# KiCad board Plume.kicad_pcb (continued)
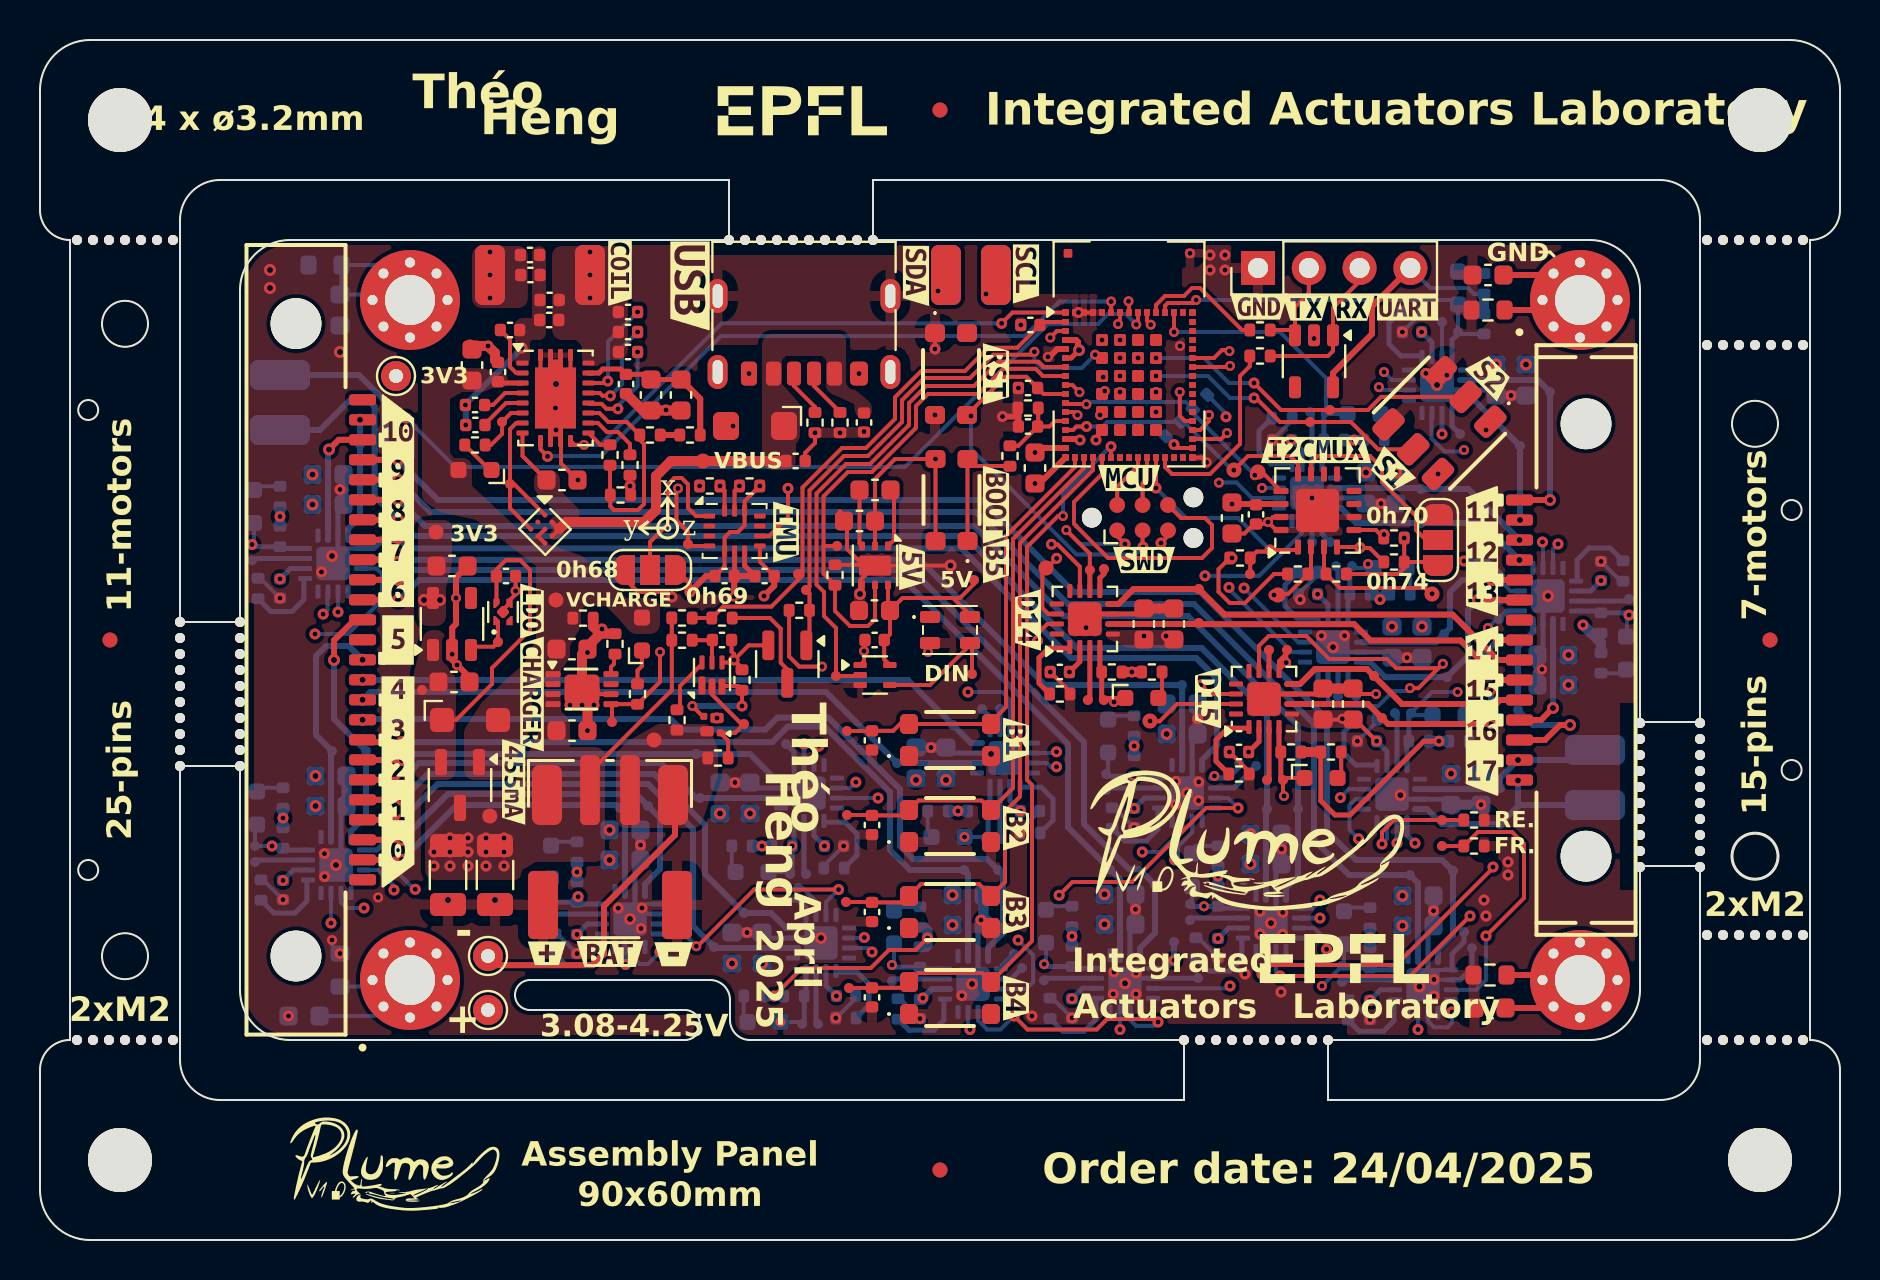
[diagram p0: board, top side]
## Placement (name value [footprint] x y rotation side) (continued)
NOREF  -  [unnamed]  84.95 44.75 0 top
NOREF#2  -  [unnamed]  83 19.45 90 top
NOREF#3  -  [unnamed]  10 23.7 90 top
NOREF#4  -  [unnamed]  87.35 50 0 top
NOREF#5  -  [unnamed]  4.25 50 0 top
NOREF#6  -  [unnamed]  7 26.1 90 top
NOREF#7  -  [unnamed]  83 18.65 90 top
NOREF#8  -  [unnamed]  83 25.85 90 top
NOREF#9  -  [unnamed]  37.65 50 0 top
NOREF#10  -  [unnamed]  83 20.25 90 top
NOREF#11  -  [unnamed]  88.15 50 0 top
NOREF#12  -  [unnamed]  10 26.9 90 top
NOREF#13  -  [unnamed]  61.2 10 0 top
NOREF#14  -  [unnamed]  59.6 10 0 top
NOREF#15  -  [unnamed]  57.2 10 0 top
NOREF#16  -  [unnamed]  85.75 44.75 0 top
NOREF#17  -  [unnamed]  1.85 50 0 top
NOREF#18  -  [unnamed]  83.35 50 0 top
NOREF#19  -  [unnamed]  85.75 10 0 top
NOREF#20  -  [unnamed]  58 10 0 top
NOREF#21  -  [unnamed]  84.95 15.25 0 top
NOREF#22  -  [unnamed]  41.65 50 0 top
NOREF#23  -  [unnamed]  83.35 44.75 0 top
NOREF#24  -  [unnamed]  6.65 50 0 top
NOREF#25  -  [unnamed]  7 28.5 90 top
NOREF#26  -  [unnamed]  3.45 50 0 top
NOREF#27  -  [unnamed]  7 25.3 90 top
NOREF#28  -  [unnamed]  1.85 10 0 top
NOREF#29  -  [unnamed]  35.25 50 0 top
NOREF#30  -  [unnamed]  80 18.65 90 top
NOREF#31  -  [unnamed]  84.15 44.75 0 top
NOREF#32  -  [unnamed]  10 24.5 90 top
NOREF#33  -  [unnamed]  38.45 50 0 top
NOREF#34  -  [unnamed]  64.4 10 0 top
NOREF#35  -  [unnamed]  83 23.45 90 top
NOREF#36  -  [unnamed]  63.6 10 0 top
NOREF#37  -  [unnamed]  10 28.5 90 top
NOREF#38  -  [unnamed]  83 21.85 90 top
NOREF#39  -  [unnamed]  84.95 50 0 top
NOREF#40  -  [unnamed]  84.15 15.25 0 top
NOREF#41  -  [unnamed]  5.85 10 0 top
NOREF#42  -  [unnamed]  80 25.85 90 top
NOREF#43  -  [unnamed]  80 21.85 90 top
NOREF#44  -  [unnamed]  36.85 50 0 top
NOREF#45  -  [unnamed]  80 19.45 90 top
NOREF#46  -  [unnamed]  85.75 15.25 0 top
NOREF#47  -  [unnamed]  86.55 44.75 0 top
NOREF#48  -  [unnamed]  3.45 10 0 top
NOREF#49  -  [unnamed]  4.25 10 0 top
NOREF#50  -  [unnamed]  5.85 50 0 top
NOREF#51  -  [unnamed]  86.55 50 0 top
NOREF#52  -  [unnamed]  39.25 50 0 top
NOREF#53  -  [unnamed]  5.05 10 0 top
NOREF#54  -  [unnamed]  83.35 15.25 0 top
NOREF#55  -  [unnamed]  80 22.65 90 top
NOREF#56  -  [unnamed]  2.65 10 0 top
NOREF#57  -  [unnamed]  36.05 50 0 top
NOREF#58  -  [unnamed]  80 23.45 90 top
NOREF#59  -  [unnamed]  10 26.1 90 top
NOREF#60  -  [unnamed]  87.35 10 0 top
NOREF#61  -  [unnamed]  10 30.9 90 top
NOREF#62  -  [unnamed]  7 30.1 90 top
NOREF#63  -  [unnamed]  88.15 44.75 0 top
NOREF#64  -  [unnamed]  83 22.65 90 top
NOREF#65  -  [unnamed]  40.85 50 0 top
NOREF#66  -  [unnamed]  7 23.7 90 top
NOREF#67  -  [unnamed]  83 21.05 90 top
NOREF#68  -  [unnamed]  7 30.9 90 top
NOREF#69  -  [unnamed]  80 20.25 90 top
NOREF#70  -  [unnamed]  10 27.7 90 top
NOREF#71  -  [unnamed]  10 25.3 90 top
NOREF#72  -  [unnamed]  7 24.5 90 top
NOREF#73  -  [unnamed]  2.65 50 0 top
NOREF#74  -  [unnamed]  86.55 10 0 top
NOREF#75  -  [unnamed]  84.15 10 0 top
NOREF#76  -  [unnamed]  88.15 15.25 0 top
NOREF#77  -  [unnamed]  86.55 15.25 0 top
NOREF#78  -  [unnamed]  83 24.25 90 top
NOREF#79  -  [unnamed]  80 24.25 90 top
NOREF#80  -  [unnamed]  80 21.05 90 top
NOREF#81  -  [unnamed]  83 25.05 90 top
NOREF#82  -  [unnamed]  5.05 50 0 top
NOREF#83  -  [unnamed]  88.15 10 0 top
NOREF#84  -  [unnamed]  84.15 50 0 top
NOREF#85  -  [unnamed]  10 30.1 90 top
NOREF#86  -  [unnamed]  62 10 0 top
NOREF#87  -  [unnamed]  40.05 50 0 top
NOREF#88  -  [unnamed]  6.65 10 0 top
NOREF#89  -  [unnamed]  10 29.3 90 top
NOREF#90  -  [unnamed]  7 29.3 90 top
NOREF#91  -  [unnamed]  84.95 10 0 top
NOREF#92  -  [unnamed]  62.8 10 0 top
NOREF#93  -  [unnamed]  60.4 10 0 top
NOREF#94  -  [unnamed]  34.45 50 0 top
NOREF#95  -  [unnamed]  7 26.9 90 top
NOREF#96  -  [unnamed]  85.75 50 0 top
NOREF#97  -  [unnamed]  80 25.05 90 top
NOREF#98  -  [unnamed]  87.35 44.75 0 top
NOREF#99  -  [unnamed]  87.35 15.25 0 top
NOREF#100  -  [unnamed]  7 27.7 90 top
NOREF#101  -  [unnamed]  83.35 10 0 top
NOREF#102  -  [unnamed]  58.8 10 0 top
Q501  NMOS IRLML6344TRPBF SOT-23  [SOT-23]  37.37 28.79 270 top
Q502  -  [CSD85302L]  33.6 25.77 180 top
Q601  CSD75207W15  [Texas_DSBGA-9_1.62x1.58mm_Layout3x3_P0.5mm]  25.25 35.54 315 top
Q701  PMOS SI2365EDS-T1-GE3  [SOT-23-3]  21 22.75 270 top
R401  330R 1%  [R_0402_1005Metric]  48.5 39.2 90 top
R402  10k 1%  [R_0402_1005Metric]  49.4 41.6 0 top
R403  22R 1%  [R_0402_1005Metric]  61 45.5 0 top
R404  100k 1%  [R_0402_1005Metric]  71.7 19.7 0 top
R405  22R 1%  [R_0402_1005Metric]  61 44.2 0 top
R406  100k 1%  [R_0402_1005Metric]  71.7 21 0 top
R501  330R 1%  [R_0402_1005Metric]  32.1 29.99 0 top
R502  3k 1%  [R_0402_1005Metric]  32.1 31.1 0 top
R503  10k 1%  [R_0402_1005Metric]  34.1 31.1 0 top
R504  2k2 1%  [R_0402_1005Metric]  31.85 26 270 top
R505  330R 1%  [R_0402_1005Metric]  29.88 27.29 270 top
R506  4M99 1%  [R_0402_1005Metric]  33.9 24.1 180 top
R507  4M99 1%  [R_0402_1005Metric]  35.1 28 270 top
R508  2k2 1%  [R_0402_1005Metric]  28.75 29.8 90 top
R509  100k 1%  [R_0402_1005Metric]  37.97 31.48 180 top
R601  330R 1%  [R_0402_1005Metric]  21.75 39.75 0 top
R602  5k1 1%  [R_0402_1005Metric]  40 40.87 90 top
R603  5k1 1%  [R_0402_1005Metric]  38.75 40.87 90 top
R604  196R 1%  [R_0402_1005Metric]  28.5 39.25 270 top
R605  10k 1%  [R_0402_1005Metric]  32.5 40.25 180 top
R606  10k 1%  [R_0402_1005Metric]  30.5 40.25 180 top
R607  196R 1%  [R_0402_1005Metric]  29.03 37.25 0 top
R608  10k 1%  [R_0402_1005Metric]  29.5 38.75 90 top
R701  100k 1%  [R_0402_1005Metric]  27.15 31.09 0 top
R801  100k 1%  [R_0402_1005Metric]  60 34.1 0 top
R802  3k 1%  [R_0402_1005Metric]  58 41.9 225 bottom
R803  3k 1%  [R_0402_1005Metric]  56.65 40.55 45 bottom
R804  3k 1%  [R_0402_1005Metric]  64.81 33.3 180 top
R805  3k 1%  [R_0402_1005Metric]  62.89 33.3 0 top
R806  3k 1%  [R_0402_1005Metric]  67.7 35.1 180 top
R807  3k 1%  [R_0402_1005Metric]  67.7 33.9 180 top
R901  100k 1%  [R_0402_1005Metric]  39.75 33.25 90 top
R1001  3k 1%  [R_0402_1005Metric]  33.49 37.7 0 top
R1002  3k 1%  [R_0402_1005Metric]  35.48 37.7 180 top
R1201  680R 1%  [R_0402_1005Metric]  25.75 14.8 90 bottom
R1202  330R 1%  [R_0402_1005Metric]  26.85 19.4 90 bottom
R1203  100k 1%  [R_0402_1005Metric]  26.85 17.4 270 bottom
R1301  680R 1%  [R_0402_1005Metric]  40.3 11.1 180 bottom
R1302  330R 1%  [R_0402_1005Metric]  35.7 12.2 180 bottom
R1303  100k 1%  [R_0402_1005Metric]  37.7 12.2 0 bottom
R1401  680R 1%  [R_0402_1005Metric]  39.7 18.6 180 bottom
R1402  330R 1%  [R_0402_1005Metric]  35.1 19.7 180 bottom
R1403  100k 1%  [R_0402_1005Metric]  37.1 19.7 0 bottom
R1501  680R 1%  [R_0402_1005Metric]  42.9 11.55 90 bottom
R1502  330R 1%  [R_0402_1005Metric]  44 16.15 90 bottom
R1503  100k 1%  [R_0402_1005Metric]  44 14.15 270 bottom
R1601  680R 1%  [R_0402_1005Metric]  49.5 20.35 180 bottom
R1602  330R 1%  [R_0402_1005Metric]  44.9 21.45 180 bottom
R1603  100k 1%  [R_0402_1005Metric]  46.9 21.45 0 bottom
R1701  680R 1%  [R_0402_1005Metric]  11.05 17.5 90 bottom
R1702  330R 1%  [R_0402_1005Metric]  12.15 22.1 90 bottom
R1703  100k 1%  [R_0402_1005Metric]  12.15 20.1 270 bottom
R1801  680R 1%  [R_0402_1005Metric]  50.5 11.58 90 bottom
R1802  330R 1%  [R_0402_1005Metric]  51.6 16.18 90 bottom
R1803  100k 1%  [R_0402_1005Metric]  51.6 14.18 270 bottom
R1901  680R 1%  [R_0402_1005Metric]  53.61 21.1 90 bottom
R1902  330R 1%  [R_0402_1005Metric]  54.71 25.7 90 bottom
R1903  100k 1%  [R_0402_1005Metric]  54.71 23.7 270 bottom
R2001  680R 1%  [R_0402_1005Metric]  57.8 14.6 90 bottom
R2002  330R 1%  [R_0402_1005Metric]  58.9 19.2 90 bottom
R2003  100k 1%  [R_0402_1005Metric]  58.9 17.2 270 bottom
R2101  680R 1%  [R_0402_1005Metric]  65.4 11.51 90 bottom
R2102  330R 1%  [R_0402_1005Metric]  66.5 16.11 90 bottom
R2103  100k 1%  [R_0402_1005Metric]  66.5 14.11 270 bottom
R2201  680R 1%  [R_0402_1005Metric]  10.9 32.58 90 bottom
R2202  330R 1%  [R_0402_1005Metric]  12 37.18 90 bottom
R2203  100k 1%  [R_0402_1005Metric]  12 35.18 270 bottom
R2301  680R 1%  [R_0402_1005Metric]  68.6 46.4 0 bottom
R2302  330R 1%  [R_0402_1005Metric]  72.2 47.81 90 bottom
R2303  100k 1%  [R_0402_1005Metric]  72.2 45.81 270 bottom
R2401  680R 1%  [R_0402_1005Metric]  62.1 41.1 0 bottom
R2402  330R 1%  [R_0402_1005Metric]  66.7 40 0 bottom
R2403  100k 1%  [R_0402_1005Metric]  64.7 40 180 bottom
R2501  680R 1%  [R_0402_1005Metric]  63.4 33.39 0 bottom
R2502  330R 1%  [R_0402_1005Metric]  68 32.29 0 bottom
R2503  100k 1%  [R_0402_1005Metric]  66 32.29 180 bottom
R2601  680R 1%  [R_0402_1005Metric]  50.99 27.3 0 top
R2602  330R 1%  [R_0402_1005Metric]  55.59 28.4 0 top
R2603  100k 1%  [R_0402_1005Metric]  53.59 28.4 180 top
R2701  680R 1%  [R_0402_1005Metric]  59.95 23.3 0 top
R2702  330R 1%  [R_0402_1005Metric]  64.55 24.4 0 top
R2703  100k 1%  [R_0402_1005Metric]  62.55 24.4 180 top
R2801  680R 1%  [R_0402_1005Metric]  79.15 33.45 270 bottom
R2802  330R 1%  [R_0402_1005Metric]  78.05 28.85 270 bottom
R2803  100k 1%  [R_0402_1005Metric]  78.05 30.85 90 bottom
R2901  680R 1%  [R_0402_1005Metric]  66.35 26.04 0 bottom
R2902  330R 1%  [R_0402_1005Metric]  70.95 24.94 0 bottom
R2903  100k 1%  [R_0402_1005Metric]  68.95 24.94 180 bottom
R3001  0R 1%  [R_0603_1608Metric]  14.25 48.75 180 bottom  (not fitted)
R3002  0R 1%  [R_0603_1608Metric]  72.4 46.5 180 top
R3003  0R 1%  [R_0603_1608Metric]  72.5 13.25 180 top  (not fitted)
R3004  0R 1%  [R_0603_1608Metric]  15 13.5 90 bottom  (not fitted)
SW401  KMR232NG ULC  [SW_KMR232NGULCLFS]  45.57 37 270 top
SW402  KMR232NG ULC  [SW_KMR232NGULCLFS]  45.55 43.3 90 top
SW403  CAS-D20A1  [CAS-D2xx]  69.97 40.85 135 top
SW404  KMR232NG ULC  [SW_KMR232NGULCLFS]  45.5 25 180 top
SW405  KMR232NG ULC  [SW_KMR232NGULCLFS]  45.5 20.7 180 top
SW406  KMR232NG ULC  [SW_KMR232NGULCLFS]  45.5 16.4 180 top
SW407  KMR232NG ULC  [SW_KMR232NGULCLFS]  45.5 12.1 180 top
TP401  BUTTON1  [TestPoint_Pad_D0.5mm_Front]  40.35 25.45 0 top
TP402  BUTTON2  [TestPoint_Pad_D0.5mm_Front]  40.35 21.25 0 top
TP403  BUTTON3  [TestPoint_Pad_D0.5mm_Front]  40.3 16.9 0 top
TP404  BUTTON4  [TestPoint_Pad_D0.5mm_Front]  40.45 12.6 0 top
TP405  SWITCH1  [TestPoint_Pad_D0.5mm_Front]  63.5 40.9 0 top
TP406  SWITCH2  [TestPoint_Pad_D0.5mm_Front]  64.5 41.5 0 top
TP407  I2C1_SCL  [TestPoint_Pad_D0.75mm_Front]  59.7 38.5 0 top
TP408  I2C1_SDA  [TestPoint_Pad_D0.75mm_Front]  60.9 38.4 0 top
TP501  COUT  [TestPoint_Pad_D0.5mm_Front]  35.2 25.8 0 top
TP502  DOUT  [TestPoint_Pad_D0.5mm_Front]  35.1 26.7 0 top
TP503  CHARGE_STATUS  [TestPoint_Pad_D0.5mm_Front]  28.6 25.9 0 top
TP504  BAT_SENSE_EN  [TestPoint_Pad_D0.5mm_Front]  38.3 32.5 0 top
TP505  BAT_SENSE  [TestPoint_Pad_D0.5mm_Front]  37.9 33.3 0 top
TP506  -VBAT  [TestPoint_Pad_D0.75mm_Front]  30.7 25 0 top
TP507  -VBAT  [TestPoint_THTPad_D1.5mm_Drill0.7mm]  22.4 14.2 0 top
TP508  +VBAT  [TestPoint_Pad_D0.75mm_Front]  22.49 21.2 0 top
TP509  -VBAT  [TestPoint_THTPad_D1.5mm_Drill0.7mm]  22.4 11.5 0 top
TP601  +VBUS  [TestPoint_Pad_D0.75mm_Front]  33.15 38.95 0 top
TP602  +VCHARGE  [TestPoint_Pad_D0.75mm_Front]  25.8 32 0 top
TP603  ~{AD_EN}  [TestPoint_Pad_D0.5mm_Front]  23.5 37.8 0 top
TP604  ~{CHG}  [TestPoint_Pad_D0.5mm_Front]  23.1 40.9 0 top
TP701  3V3_EN  [TestPoint_Pad_D0.5mm_Front]  22.9 29.9 270 top
TP702  +3V3  [TestPoint_Pad_D0.75mm_Front]  19.8 35.4 0 top
TP703  +3V3  [TestPoint_THTPad_D1.5mm_Drill0.7mm]  17.8 43.2 0 top
TP704  +VDD  [TestPoint_Pad_D0.5mm_Front]  19.1 27.5 0 top
TP801  MUX_RESET  [TestPoint_Pad_D0.5mm_Front]  60.5 33.3 0 top
TP901  5V_ENABLE  [TestPoint_Pad_D0.5mm_Back]  39.85 34.7 0 top
TP902  DIN_3V3  [TestPoint_Pad_D0.5mm_Back]  39.8 28.2 0 top
TP903  IMU_INT1  [TestPoint_Pad_D0.5mm_Back]  46.6 28.3 0 top
TP904  IMU_INT2  [TestPoint_Pad_D0.5mm_Back]  46.7 33 0 top
TP1001  IMU_INT1  [TestPoint_Pad_D0.5mm_Back]  32.4 34.8 0 top
TP1002  IMU_INT2  [TestPoint_Pad_D0.5mm_Back]  37.4 37.6 0 top
TP1101  nSLEEP_FRONT  [TestPoint_Pad_D0.5mm_Back]  70.1 19.7 0 top
TP1102  nSLEEP_REAR  [TestPoint_Pad_D0.5mm_Back]  70.1 21 0 top
TP1103  SD0  [TestPoint_Pad_D0.75mm_Front]  61.9 32.25 0 top
TP1104  SC0  [TestPoint_Pad_D0.75mm_Front]  69.6 32.3 0 top
TP1105  SD1  [TestPoint_Pad_D0.75mm_Front]  50.3 33.6 0 top
TP1106  SC1  [TestPoint_Pad_D0.75mm_Front]  55.5 25.95 0 top
TP1201  nFAULT  [TestPoint_Pad_D0.5mm_Back]  25.45 17 0 bottom
TP1202  RC_OUT  [TestPoint_Pad_D0.5mm_Back]  25.45 16.2 0 bottom
TP1203  OUT1  [TestPoint_Pad_D0.5mm_Back]  29 21.6 0 bottom
TP1204  OUT2  [TestPoint_Pad_D0.5mm_Back]  30.4 21.7 0 bottom
TP1205  A0  [TestPoint_Pad_D0.5mm_Back]  31.95 16.3 0 bottom
TP1206  A1  [TestPoint_Pad_D0.5mm_Back]  31.95 17.2 0 bottom
TP1301  nFAULT  [TestPoint_Pad_D0.5mm_Back]  38.1 10.8 90 bottom
TP1302  RC_OUT  [TestPoint_Pad_D0.5mm_Back]  38.9 10.8 90 bottom
TP1303  OUT1  [TestPoint_Pad_D0.5mm_Back]  33.7 14.65 90 bottom
TP1304  OUT2  [TestPoint_Pad_D0.5mm_Back]  35.2 16.35 90 bottom
TP1305  A0  [TestPoint_Pad_D0.5mm_Back]  37.9 17.6 90 bottom
TP1306  A1  [TestPoint_Pad_D0.5mm_Back]  36.3 17 90 bottom
TP1401  nFAULT  [TestPoint_Pad_D0.5mm_Back]  37.5 18.3 90 bottom
TP1402  RC_OUT  [TestPoint_Pad_D0.5mm_Back]  38.3 18.3 90 bottom
TP1403  OUT1  [TestPoint_Pad_D0.5mm_Back]  33 22.1 90 bottom
TP1404  OUT2  [TestPoint_Pad_D0.5mm_Back]  32.8 24.3 90 bottom
TP1405  A0  [TestPoint_Pad_D0.5mm_Back]  38.2 24.8 90 bottom
TP1406  A1  [TestPoint_Pad_D0.5mm_Back]  37.3 24.8 90 bottom
TP1501  nFAULT  [TestPoint_Pad_D0.5mm_Back]  42.6 13.75 0 bottom
TP1502  RC_OUT  [TestPoint_Pad_D0.5mm_Back]  42.6 12.95 0 bottom
TP1503  OUT1  [TestPoint_Pad_D0.5mm_Back]  46.2 18.5 0 bottom
TP1504  OUT2  [TestPoint_Pad_D0.5mm_Back]  47.9 18.5 0 bottom
TP1505  A0  [TestPoint_Pad_D0.5mm_Back]  49.1 13.6 0 bottom
TP1506  A1  [TestPoint_Pad_D0.5mm_Back]  48.7 14.3 0 bottom
TP1601  nFAULT  [TestPoint_Pad_D0.5mm_Back]  47.3 20.05 90 bottom
TP1602  RC_OUT  [TestPoint_Pad_D0.5mm_Back]  48.1 20.05 90 bottom
TP1603  OUT1  [TestPoint_Pad_D0.5mm_Back]  42.85 23.85 90 bottom
TP1604  OUT2  [TestPoint_Pad_D0.5mm_Back]  45.65 25.75 90 bottom
TP1605  A0  [TestPoint_Pad_D0.5mm_Back]  48 26.55 90 bottom
TP1606  A1  [TestPoint_Pad_D0.5mm_Back]  47.1 26.55 90 bottom
TP1701  nFAULT  [TestPoint_Pad_D0.5mm_Back]  10.75 19.7 0 bottom
TP1702  RC_OUT  [TestPoint_Pad_D0.5mm_Back]  10.75 18.9 0 bottom
TP1703  OUT1  [TestPoint_Pad_D0.5mm_Back]  14.6 24.45 0 bottom
TP1704  OUT2  [TestPoint_Pad_D0.5mm_Back]  16.3 24.45 0 bottom
TP1705  A0  [TestPoint_Pad_D0.5mm_Back]  17.25 19 0 bottom
TP1706  A1  [TestPoint_Pad_D0.5mm_Back]  17.25 19.9 0 bottom
TP1801  nFAULT  [TestPoint_Pad_D0.5mm_Back]  50.2 13.78 0 bottom
TP1802  RC_OUT  [TestPoint_Pad_D0.5mm_Back]  50.2 12.98 0 bottom
TP1803  OUT1  [TestPoint_Pad_D0.5mm_Back]  53.5 18.53 0 bottom
TP1804  OUT2  [TestPoint_Pad_D0.5mm_Back]  55.75 17.75 0 bottom
TP1805  A0  [TestPoint_Pad_D0.5mm_Back]  57.9 13.1 0 bottom
TP1806  A1  [TestPoint_Pad_D0.5mm_Back]  56.7 14.9 0 bottom
TP1901  nFAULT  [TestPoint_Pad_D0.5mm_Back]  53.31 23.3 0 bottom
TP1902  RC_OUT  [TestPoint_Pad_D0.5mm_Back]  53.31 22.5 0 bottom
TP1903  OUT1  [TestPoint_Pad_D0.5mm_Back]  57.1 27.75 0 bottom
TP1904  OUT2  [TestPoint_Pad_D0.5mm_Back]  58.86 28.05 0 bottom
TP1905  A0  [TestPoint_Pad_D0.5mm_Back]  60.8 23.7 0 bottom
TP1906  A1  [TestPoint_Pad_D0.5mm_Back]  59.95 23.83 0 bottom
TP2001  nFAULT  [TestPoint_Pad_D0.5mm_Back]  57.5 16.8 0 bottom
TP2002  RC_OUT  [TestPoint_Pad_D0.5mm_Back]  57.5 16 0 bottom
TP2003  OUT1  [TestPoint_Pad_D0.5mm_Back]  61.35 21.55 0 bottom
TP2004  OUT2  [TestPoint_Pad_D0.5mm_Back]  62.9 21.55 0 bottom
TP2005  A0  [TestPoint_Pad_D0.5mm_Back]  64 16.1 0 bottom
TP2006  A1  [TestPoint_Pad_D0.5mm_Back]  64 17 0 bottom
TP2101  nFAULT  [TestPoint_Pad_D0.5mm_Back]  65.1 13.71 0 bottom
TP2102  RC_OUT  [TestPoint_Pad_D0.5mm_Back]  65.1 12.91 0 bottom
TP2103  OUT1  [TestPoint_Pad_D0.5mm_Back]  68.5 18.25 0 bottom
TP2104  OUT2  [TestPoint_Pad_D0.5mm_Back]  70.65 18.46 0 bottom
TP2105  A0  [TestPoint_Pad_D0.5mm_Back]  71.6 14.6 0 bottom
TP2106  A1  [TestPoint_Pad_D0.5mm_Back]  71.2 15.4 0 bottom
TP2201  nFAULT  [TestPoint_Pad_D0.5mm_Back]  10.6 34.78 0 bottom
TP2202  RC_OUT  [TestPoint_Pad_D0.5mm_Back]  10.6 33.98 0 bottom
TP2203  OUT1  [TestPoint_Pad_D0.5mm_Back]  14.45 39.53 0 bottom
TP2204  OUT2  [TestPoint_Pad_D0.5mm_Back]  16 39.8 0 bottom
TP2205  A0  [TestPoint_Pad_D0.5mm_Back]  17.1 34.08 0 bottom
TP2206  A1  [TestPoint_Pad_D0.5mm_Back]  17.1 34.98 0 bottom
TP2301  nFAULT  [TestPoint_Pad_D0.5mm_Back]  70.9 45.4 270 bottom
TP2302  RC_OUT  [TestPoint_Pad_D0.5mm_Back]  70.1 45.9 270 bottom
TP2303  OUT1  [TestPoint_Pad_D0.5mm_Back]  75.5 42.4 270 bottom
TP2304  OUT2  [TestPoint_Pad_D0.5mm_Back]  74 39.7 270 bottom
TP2305  A0  [TestPoint_Pad_D0.5mm_Back]  70.1 40.3 270 bottom
TP2306  A1  [TestPoint_Pad_D0.5mm_Back]  71 40.3 270 bottom
TP2401  nFAULT  [TestPoint_Pad_D0.5mm_Back]  64.3 41.4 270 bottom
TP2402  RC_OUT  [TestPoint_Pad_D0.5mm_Back]  63.5 41.4 270 bottom
TP2403  OUT1  [TestPoint_Pad_D0.5mm_Back]  69.05 37.55 270 bottom
TP2404  OUT2  [TestPoint_Pad_D0.5mm_Back]  69.05 35.85 270 bottom
TP2405  A0  [TestPoint_Pad_D0.5mm_Back]  63.6 34.9 270 bottom
TP2406  A1  [TestPoint_Pad_D0.5mm_Back]  64.5 34.9 270 bottom
TP2501  nFAULT  [TestPoint_Pad_D0.5mm_Back]  65.6 33.69 270 bottom
TP2502  RC_OUT  [TestPoint_Pad_D0.5mm_Back]  64.8 33.69 270 bottom
TP2503  OUT1  [TestPoint_Pad_D0.5mm_Back]  70.2 30.3 270 bottom
TP2504  OUT2  [TestPoint_Pad_D0.5mm_Back]  70.35 28.14 270 bottom
TP2505  A0  [TestPoint_Pad_D0.5mm_Back]  64.9 27.19 270 bottom
TP2506  A1  [TestPoint_Pad_D0.5mm_Back]  65.8 27.19 270 bottom
TP2601  nFAULT  [TestPoint_Pad_D0.5mm_Back]  53.19 27 90 top
TP2602  RC_OUT  [TestPoint_Pad_D0.5mm_Back]  52.39 27 90 top
TP2603  OUT1  [TestPoint_Pad_D0.5mm_Back]  57.94 30.85 90 top
TP2604  OUT2  [TestPoint_Pad_D0.5mm_Back]  57.94 32.55 90 top
TP2605  A0  [TestPoint_Pad_D0.5mm_Back]  52.49 33.5 90 top
TP2606  A1  [TestPoint_Pad_D0.5mm_Back]  53.2 33.55 90 top
TP2701  nFAULT  [TestPoint_Pad_D0.5mm_Back]  62.15 23 90 top
TP2702  RC_OUT  [TestPoint_Pad_D0.5mm_Back]  61.35 23 90 top
TP2703  OUT1  [TestPoint_Pad_D0.5mm_Back]  67.1 26.1 90 top
TP2704  OUT2  [TestPoint_Pad_D0.5mm_Back]  66.7 28.2 90 top
TP2705  A0  [TestPoint_Pad_D0.5mm_Back]  61.45 29.5 90 top
TP2706  A1  [TestPoint_Pad_D0.5mm_Back]  62.35 29.5 90 top
TP2801  nFAULT  [TestPoint_Pad_D0.5mm_Back]  79.45 31.25 180 bottom
TP2802  RC_OUT  [TestPoint_Pad_D0.5mm_Back]  79.45 32.05 180 bottom
TP2803  OUT1  [TestPoint_Pad_D0.5mm_Back]  75.65 26.6 180 bottom
TP2804  OUT2  [TestPoint_Pad_D0.5mm_Back]  73.9 26.5 180 bottom
TP2805  A0  [TestPoint_Pad_D0.5mm_Back]  72.95 31.95 180 bottom
TP2806  A1  [TestPoint_Pad_D0.5mm_Back]  72.95 31.05 180 bottom
TP2901  nFAULT  [TestPoint_Pad_D0.5mm_Back]  68.55 26.34 270 bottom
TP2902  RC_OUT  [TestPoint_Pad_D0.5mm_Back]  67.75 26.34 270 bottom
TP2903  OUT1  [TestPoint_Pad_D0.5mm_Back]  73 22.6 270 bottom
TP2904  OUT2  [TestPoint_Pad_D0.5mm_Back]  73 20.79 270 bottom
TP2905  A0  [TestPoint_Pad_D0.5mm_Back]  67.85 19.84 270 bottom
TP2906  A1  [TestPoint_Pad_D0.5mm_Back]  68.75 19.84 270 bottom
U401  STM32WB5MMGH6TR  [ST-SiP-LGA-86-11x7.3mm]  54.45 44.3 0 top
U501  BQ29737DSER  [WSON-6_1.5x1.5mm_P0.5mm]  33.6 28.27 90 top
U502  MCP73831T-2ACI/MC  [DFN_2x3mm]  27.1 27.54 0 top
U601  BQ51013CQWRHLRQ1  [Texas_VQFN-RHL-20]  25.78 42.1 0 top
U701  TPS3839G33DQNR  [Texas_X2SON-4_1x1mm_P0.65mm]  23.15 31.4 90 top
U702  TPS7A0233DBVR  [SOT-23-5-TEXAS]  20.6 30.8 90 top
U801  PCA9546ARGVR  [Texas_RSA_VQFN-16-1EP_4x4mm_P0.65mm_EP2.16x2.16mm]  63.88 36.47 90 top
U1001  BMI270  [Bosch_LGA-14_3x2.5mm_P0.5mm]  34.73 35.45 0 top

## Library data of the parts
C401 C402 C407-C410 C601 C604 C605 C616 C701 C801 C903 C1001 C1002 C1203 C1303 C1403 C1503 C1603 C1703 C1803 C1903 C2003 C2103 C2203 C2303 C2403 C2503 C2603 C2703 C2803 C2903 = -: Datasheet: https://www.mouser.ch/ProductDetail/Samsung-Electro-Mechanics/CL05B104KO5VPNC?qs=SRYZG9HaIQ0dGqjRr5dbew%3D%3D; Description: Unpolarized capacitor; Manufacturer Part Number: CL05B104KO5VPNC; Supplier: Mouser Electronics; Manufacturer: Samsung Electro-Mechanics; Supplier Part Number: 187-CL05B104KO5VPNC; ki_fp_filters: C_*
C403 = -: Datasheet: https://www.mouser.ch/ProductDetail/Murata-Electronics/GRM188Z71C475KE21D?qs=d0WKAl%252BL4KajNOvalhHKtQ%3D%3D; Description: Unpolarized capacitor; Manufacturer Part Number: GRM188Z71C475KE21D; Supplier: Mouser Electronics; Manufacturer: Murata Electronics; Supplier Part Number: 81-GRM188Z71C475KE1D; ki_fp_filters: C_*
C501 C502 = -: Datasheet: https://www.mouser.ch/ProductDetail/TAIYO-YUDEN/MSASE31LBB5476MTNA01?qs=tlsG%2FOw5FFhhPmEmFzorng%3D%3D; Description: Unpolarized capacitor; Manufacturer: TAIYO YUDEN; Manufacturer Part Number: MSASE31LBB5476MTNA01; Supplier: Mouser Electronics; Supplier Part Number: 963-MSASE31LBB5476MT; ki_fp_filters: C_*
C503 C506 = -: Datasheet: https://www.mouser.ch/ProductDetail/Murata-Electronics/GRM188Z71C475KE21D?qs=d0WKAl%252BL4KajNOvalhHKtQ%3D%3D; Description: Unpolarized capacitor; Manufacturer: Murata Electronics; Manufacturer Part Number: GRM188Z71C475KE21D; Supplier: Mouser Electronics; Supplier Part Number: 81-GRM188Z71C475KE1D; ki_fp_filters: C_*
C504 C505 = -: Datasheet: https://www.mouser.ch/ProductDetail/Samsung-Electro-Mechanics/CL05B104KO5VPNC?qs=SRYZG9HaIQ0dGqjRr5dbew%3D%3D; Description: Unpolarized capacitor; Manufacturer: Samsung Electro-Mechanics; Manufacturer Part Number: CL05B104KO5VPNC; Supplier: Mouser Electronics; Supplier Part Number: 187-CL05B104KO5VPNC; ki_fp_filters: C_*
C602 C617 C618 C702 C703 C1201 C1301 C1401 C1501 C1601 C1701 C1801 C1901 C2001 C2101 C2201 C2301 C2401 C2501 C2601 C2701 C2801 C2901 = -: Datasheet: https://www.mouser.ch/ProductDetail/Murata-Electronics/GRM188R61C106MAALD?qs=hNud%2FORuBR3LEOKZ4RJp9w%3D%3D; Description: Unpolarized capacitor; Manufacturer: Murata Electronics; Manufacturer Part Number: GRM188R61C106MAALD; Supplier: Mouser Electronics; Supplier Part Number: 81-GRM188R61C106MALD; ki_fp_filters: C_*
C603 C802 = -: Datasheet: https://www.mouser.ch/ProductDetail/TDK/CGA3E1X7R1C105K080AC?qs=XHchNesRtUbBVNsGg9%252BP9g%3D%3D; Description: Unpolarized capacitor; Manufacturer: TDK; Manufacturer Part Number: CGA3E1X7R1C105K080AC; Supplier: Mouser Electronics; Supplier Part Number: 810-CGA3E1X7R1C105AC; ki_fp_filters: C_*
C606 C609 C615 = -: Datasheet: https://www.mouser.ch/ProductDetail/Murata-Electronics/GRM1555C1E103JE01J?qs=d0WKAl%252BL4Kaf0f%252BHGWOwHQ%3D%3D; Description: Unpolarized capacitor; Manufacturer: Murata Electronics; Manufacturer Part Number: GRM1555C1E103JE01J; Supplier: Mouser Electronics; Supplier Part Number: 81-GRM1555C1E103JE1J; ki_fp_filters: C_*
C607 C613 = -: Datasheet: https://www.mouser.ch/ProductDetail/Murata-Electronics/GRT155R61E474KE01D?qs=drgMNd%252BkGPMC62u63CQDfw%3D%3D; Description: Unpolarized capacitor; Manufacturer: Murata Electronics; Manufacturer Part Number: GRT155R61E474KE01D; Supplier: Mouser Electronics; Supplier Part Number: 81-GRT155R61E474KE1D; ki_fp_filters: C_*
C608 C614 = -: Datasheet: https://www.mouser.ch/ProductDetail/Murata-Electronics/GCM155R71E223KA55D?qs=QDXoN8f0aYJ3xbAG%252B51q9g%3D%3D; Description: Unpolarized capacitor; Manufacturer: Murata Electronics; Manufacturer Part Number: GCM155R71E223KA55D; Supplier: Mouser Electronics; Supplier Part Number: 81-GCM155R71E223KA5D; ki_fp_filters: C_*
C610 = -: Datasheet: https://www.mouser.ch/ProductDetail/TDK/CGA2B3X7R1E154K050BB?qs=xLDY6iXSiQa5a3ygyaobCg%3D%3D; Description: Unpolarized capacitor; Manufacturer: TDK; Manufacturer Part Number: CGA2B3X7R1E154K050BB; Supplier: Mouser Electronics; Supplier Part Number: 810-CGA2B3X7R1E154KB; ki_fp_filters: C_*
C611 = -: Datasheet: https://www.mouser.ch/ProductDetail/TAIYO-YUDEN/TMF105B7222KVHF?qs=%252B6g0mu59x7L2OaVQBnCjqw%3D%3D; Description: Unpolarized capacitor; Manufacturer: TAIYO YUDEN; Manufacturer Part Number: TMF105B7222KVHF; Supplier: Mouser Electronics; Supplier Part Number: 963-TMF105B7222KVHF; ki_fp_filters: C_*
C612 = -: Datasheet: https://www.mouser.ch/ProductDetail/Vishay-Vitramon/VJ0402Y391JXXCW1BC?qs=f5fGhOx873TBeKjaAqsdYg%3D%3D; Description: Unpolarized capacitor; Manufacturer: Vishay / Vitramon; Manufacturer Part Number: VJ0402Y391JXXCW1BC; Supplier: Mouser Electronics; Supplier Part Number: 77-VJ0402Y391JXXCBC; ki_fp_filters: C_*
C901 = -: Datasheet: https://www.mouser.ch/ProductDetail/TDK/CGA3E2X7R1C224K080AA?qs=NRhsANhppD%252BSF2Ghb8qyBQ%3D%3D; Description: Unpolarized capacitor; Manufacturer Part Number: CGA3E2X7R1C224K080AA; Supplier: Mouser Electronics; Manufacturer: TDK; Supplier Part Number: 810-CGA3E2X7R1C224K; ki_fp_filters: C_*
C902 C904 = -: Datasheet: https://www.mouser.ch/ProductDetail/Murata-Electronics/GRM188Z71C225KE43D?qs=Ey7%2FXF42M3cR7ECLHyzpoA%3D%3D; Description: Unpolarized capacitor; Manufacturer Part Number: GRM188Z71C225KE43D; Supplier: Mouser Electronics; Manufacturer: Murata Electronics; Supplier Part Number: 81-GRM188Z71C225KE3D; ki_fp_filters: C_*
C1202 C1302 C1402 C1502 C1602 C1702 C1802 C1902 C2002 C2102 C2202 C2302 C2402 C2502 C2602 C2702 C2802 C2902 = -: Datasheet: https://www.mouser.ch/ProductDetail/KEMET/C0603C104J5RACAUTO?qs=XYJIsZbdjSO3ULwa1DwJaA%3D%3D; Description: Unpolarized capacitor; Manufacturer Part Number: C0603C104J5RACAUTO; Supplier: Mouser Electronics; Manufacturer: KEMET; Supplier Part Number: 80-C0603C104J5RAUTO; ki_fp_filters: C_*
C3001-C3004 = -: Datasheet: https://www.mouser.ch/ProductDetail/KEMET/C0603C102KDRACTU?qs=B0TNOcbsrWfl%252B1TgqaaQlQ%3D%3D; Description: Unpolarized capacitor; Manufacturer: KEMET; Manufacturer Part Number: C0603C102KDRACTU; Supplier: Mouser Electronics; Supplier Part Number: 80-C0603C102KDRACTU; ki_fp_filters: C_*
D401 = -: Datasheet: https://www.ti.com/lit/ds/symlink/esds314.pdf?ts=1743702062530&ref_url=https%253A%252F%252Fwww.mouser.ch%252F; Description: ESD Protection Diodes / TVS Diodes Quad 4.5-pF 3.6-V +/-30-kV ESD protect; Manufacturer: Texas Instruments; Manufacturer Part Number: ESDS314DBVR; Supplier: Mouser Electronics; Supplier Part Number: 595-ESDS314DBVR; ki_fp_filters: SOT?23*
D601 = -: Datasheet: https://www.littelfuse.com/assetdocs/tvs-diodes-smf-datasheet?assetguid=7EB8A5B6-BDD0-4561-8F19-0C3CC6F9B2AF; Description: Zener diode; Manufacturer: Littelfuse; Manufacturer Part Number: SMF5.0A; Supplier: Mouser Electronics; Supplier Part Number: 576-SMF5.0A; ki_fp_filters: TO-???* *_Diode_* *SingleDiode* D_*
D701 = -: Datasheet: https://assets.nexperia.com/documents/data-sheet/PMEG60T20ELR.pdf; Description: Schottky diode; Manufacturer: Nexperia; Manufacturer Part Number: PMEG60T20ELRX; Supplier: Mouser Electronics; Supplier Part Number: 771-PMEG60T20ELRX; ki_fp_filters: TO-???* *_Diode_* *SingleDiode* D_*
D901 = -: Datasheet: https://www.inolux-corp.com/datasheet/SMDLED/Addressable%20LED/IN-PI22TAT5R5G5B_v1.2.pdf; Description: 2427 RGB LED 4-Pin with Integrated IC; Manufacturer: Inolux; Supplier: Mouser Electronics; Supplier Part Number: 743-IN-PI22TAT5R5G5B; ki_fp_filters: LED*WS2812*PLCC*5.0x5.0mm*P3.2mm*
FID3001-FID3008 = -: Description: Fiducial Marker; ki_fp_filters: Fiducial*
H3001-H3004 = -: Description: Mounting Hole with connection; ki_fp_filters: MountingHole*Pad*
H3005-H3008 = -: Description: Mounting Hole without connection; ki_fp_filters: MountingHole*
IC901 = -: Datasheet: https://www.ti.com/lit/ds/symlink/sn74ahct1g125.pdf?ts=1743406415648&ref_url=https%253A%252F%252Fwww.mouser.it%252F; Description: Single Bus Buffer Gate With 3-State Output; Manufacturer: Texas Instruments; Supplier: Mouser Electronics; Supplier Part Number: 595-SN74AHCT1G125DRL
IC902 = -: Datasheet: https://www.ti.com/lit/ds/symlink/reg71050.pdf?ts=1743455923124; Description: 60-mA, 5.0-V, Buck/Boost Charge Pump in ThinSOT-23; Manufacturer: Texas Instruments; Supplier: Mouser Electronics; Supplier Part Number: 595-REG71050DRVR
IC1201 IC1301 IC1401 IC1501 IC1601 IC1701 IC1801 IC1901 IC2001 IC2101 IC2201 IC2301 IC2401 IC2501 IC2601 IC2701 IC2801 IC2901 = -: Datasheet: https://www.ti.com/lit/ds/symlink/drv8214.pdf?ts=1743082368801; Description: 2-A Brushed DC Motor Driver with Ripple Counting, Stall Detection, and Speed Regulation; Manufacturer: Texas Instruments; Supplier: Mouser Electronics; Supplier Part Number: 595-DRV8214RTER
J401 = -: Description: Generic connector, single row, 01x04, script generated (kicad-library-utils/schlib/autogen/connector/); ki_fp_filters: Connector*:*_1x??_*
J402 = -: Datasheet: https://www.tag-connect.com/wp-content/uploads/bsk-pdf-manager/2019/12/TC2030-IDC-NL-Datasheet-Rev-B.pdf; Description: Tag-Connect ARM Cortex SWD JTAG connector, 6 pin; ki_fp_filters: *TC2030*
J403-J406 J501 J503 J601 J603-J605 J1102 J1103 J1105 J1106 = -: Description: Generic connector, single row, 01x01, script generated (kicad-library-utils/schlib/autogen/connector/); ki_fp_filters: Connector*:*_1x??_*
J502 = -: Datasheet: https://www.jst-mfg.com/product/pdf/eng/ePH.pdf; Description: CONN HEADER SMD R/A 2POS 2MM; Manufacturer: JST Commercial; Manufacturer Part Number: S2B-PH-SM4-TB(LF)(SN); Supplier: Mouser Electronics; Supplier Part Number: 306-S2BPHSM4TBLFSN
J602 = -: Datasheet: https://www.mouser.ch/datasheet/2/837/GCT_USB4125_Product_Drawing-3538561.pdf; Description: USB Power-Only 6P Type-C Receptacle connector; Manufacturer: GCT; Manufacturer Part Number: USB4125-GF-A; Supplier: Mouser Electronics; Supplier Part Number: 640-USB4125-GF-A; ki_fp_filters: USB*C*Receptacle*
J1101 J1104 = -: Datasheet: https://suddendocs.samtec.com/catalog_english/sei.pdf; Description: Board to Board & Mezzanine Connectors 1.00 mm Single Row One-Piece Interface; Manufacturer: Samtec; Supplier: Samtec; ki_fp_filters: Connector*:*_1x??_*
JP801 JP1001 = -: Description: Solder Jumper, 3-pole, open; ki_fp_filters: SolderJumper*Open*
LED501 LED601 = -: Datasheet: https://www.mouser.ch/datasheet/2/216/APT1608CGCK-24002.pdf; Description: Light emitting diode; Manufacturer Part Number: APT1608CGCK; Manufacturer: Kingbright; Supplier Part Number: 604-APT1608CGCK; Supplier: Mouser Electronics; Sim.Pins: 1=K 2=A; ki_fp_filters: LED* LED_SMD:* LED_THT:*
LED1201 LED1301 LED1401 LED1501 LED1601 LED1701 LED1801 LED1901 LED2001 LED2101 LED2201 LED2301 LED2401 LED2501 LED2601 LED2701 LED2801 LED2901 = -: Datasheet: https://www.mouser.ch/datasheet/2/216/APTD1608LQBC_D-1102154.pdf; Description: Single Colour LEDs 0603 Dome Lens LED Blue- 465nm; Manufacturer Part Number: APTD1608LQBC/D; Manufacturer: Kingbright; Supplier Part Number: 604-APTD1608LQBCD; Supplier: Mouser Electronics; ki_fp_filters: LED* LED_SMD:* LED_THT:*
Q501 = -: Datasheet: https://www.mouser.ch/datasheet/2/196/Infineon_IRLML6344_DataSheet_v01_01_EN-3363406.pdf; Description: MOSFETs MOSFT 5.0A 29mOhm 30V 2.5V drv capable; Manufacturer: Infineon Technologies; Manufacturer Part Number: IRLML6344TRPBF; Supplier: Mouser Electronics; Supplier Part Number: 942-IRLML6344TRPBF
Q502 = -: Datasheet: http://www.ti.com/lit/ds/symlink/csd85302l.pdf; Description: 20V, N ch NexFET MOSFET, dual common drain LGA 1.35x1.35, 24mOhm; Manufacturer: Texas Instruments; Supplier: Mouser Electronics; Supplier Part Number: 595-CSD85302L
Q601 = -: Datasheet: https://www.ti.com/lit/ds/symlink/csd75207w15.pdf?ts=1743083254353&ref_url=https%253A%252F%252Fwww.ti.com%252Fproduct%252FCSD75207W15; Description: MOSFET Dual P-CH NexFET Pwr MOSFET; Manufacturer: Texas Instruments; Supplier: Mouser Electronics; Supplier Part Number: 595-CSD75207W15
Q701 = -: Datasheet: https://www.vishay.com/docs/63199/si2365eds.pdf; Description: P-MOSFET transistor, gate/source/drain; Manufacturer: Vishay Semiconductors; Manufacturer Part Number: SI2365EDS-T1-GE3; Supplier: Mouser Electronics; Supplier Part Number: 78-SI2365EDS-T1-GE3
